# Altium PCB [01]-Robot.PcbDoc (part 1 of 2) (continued)
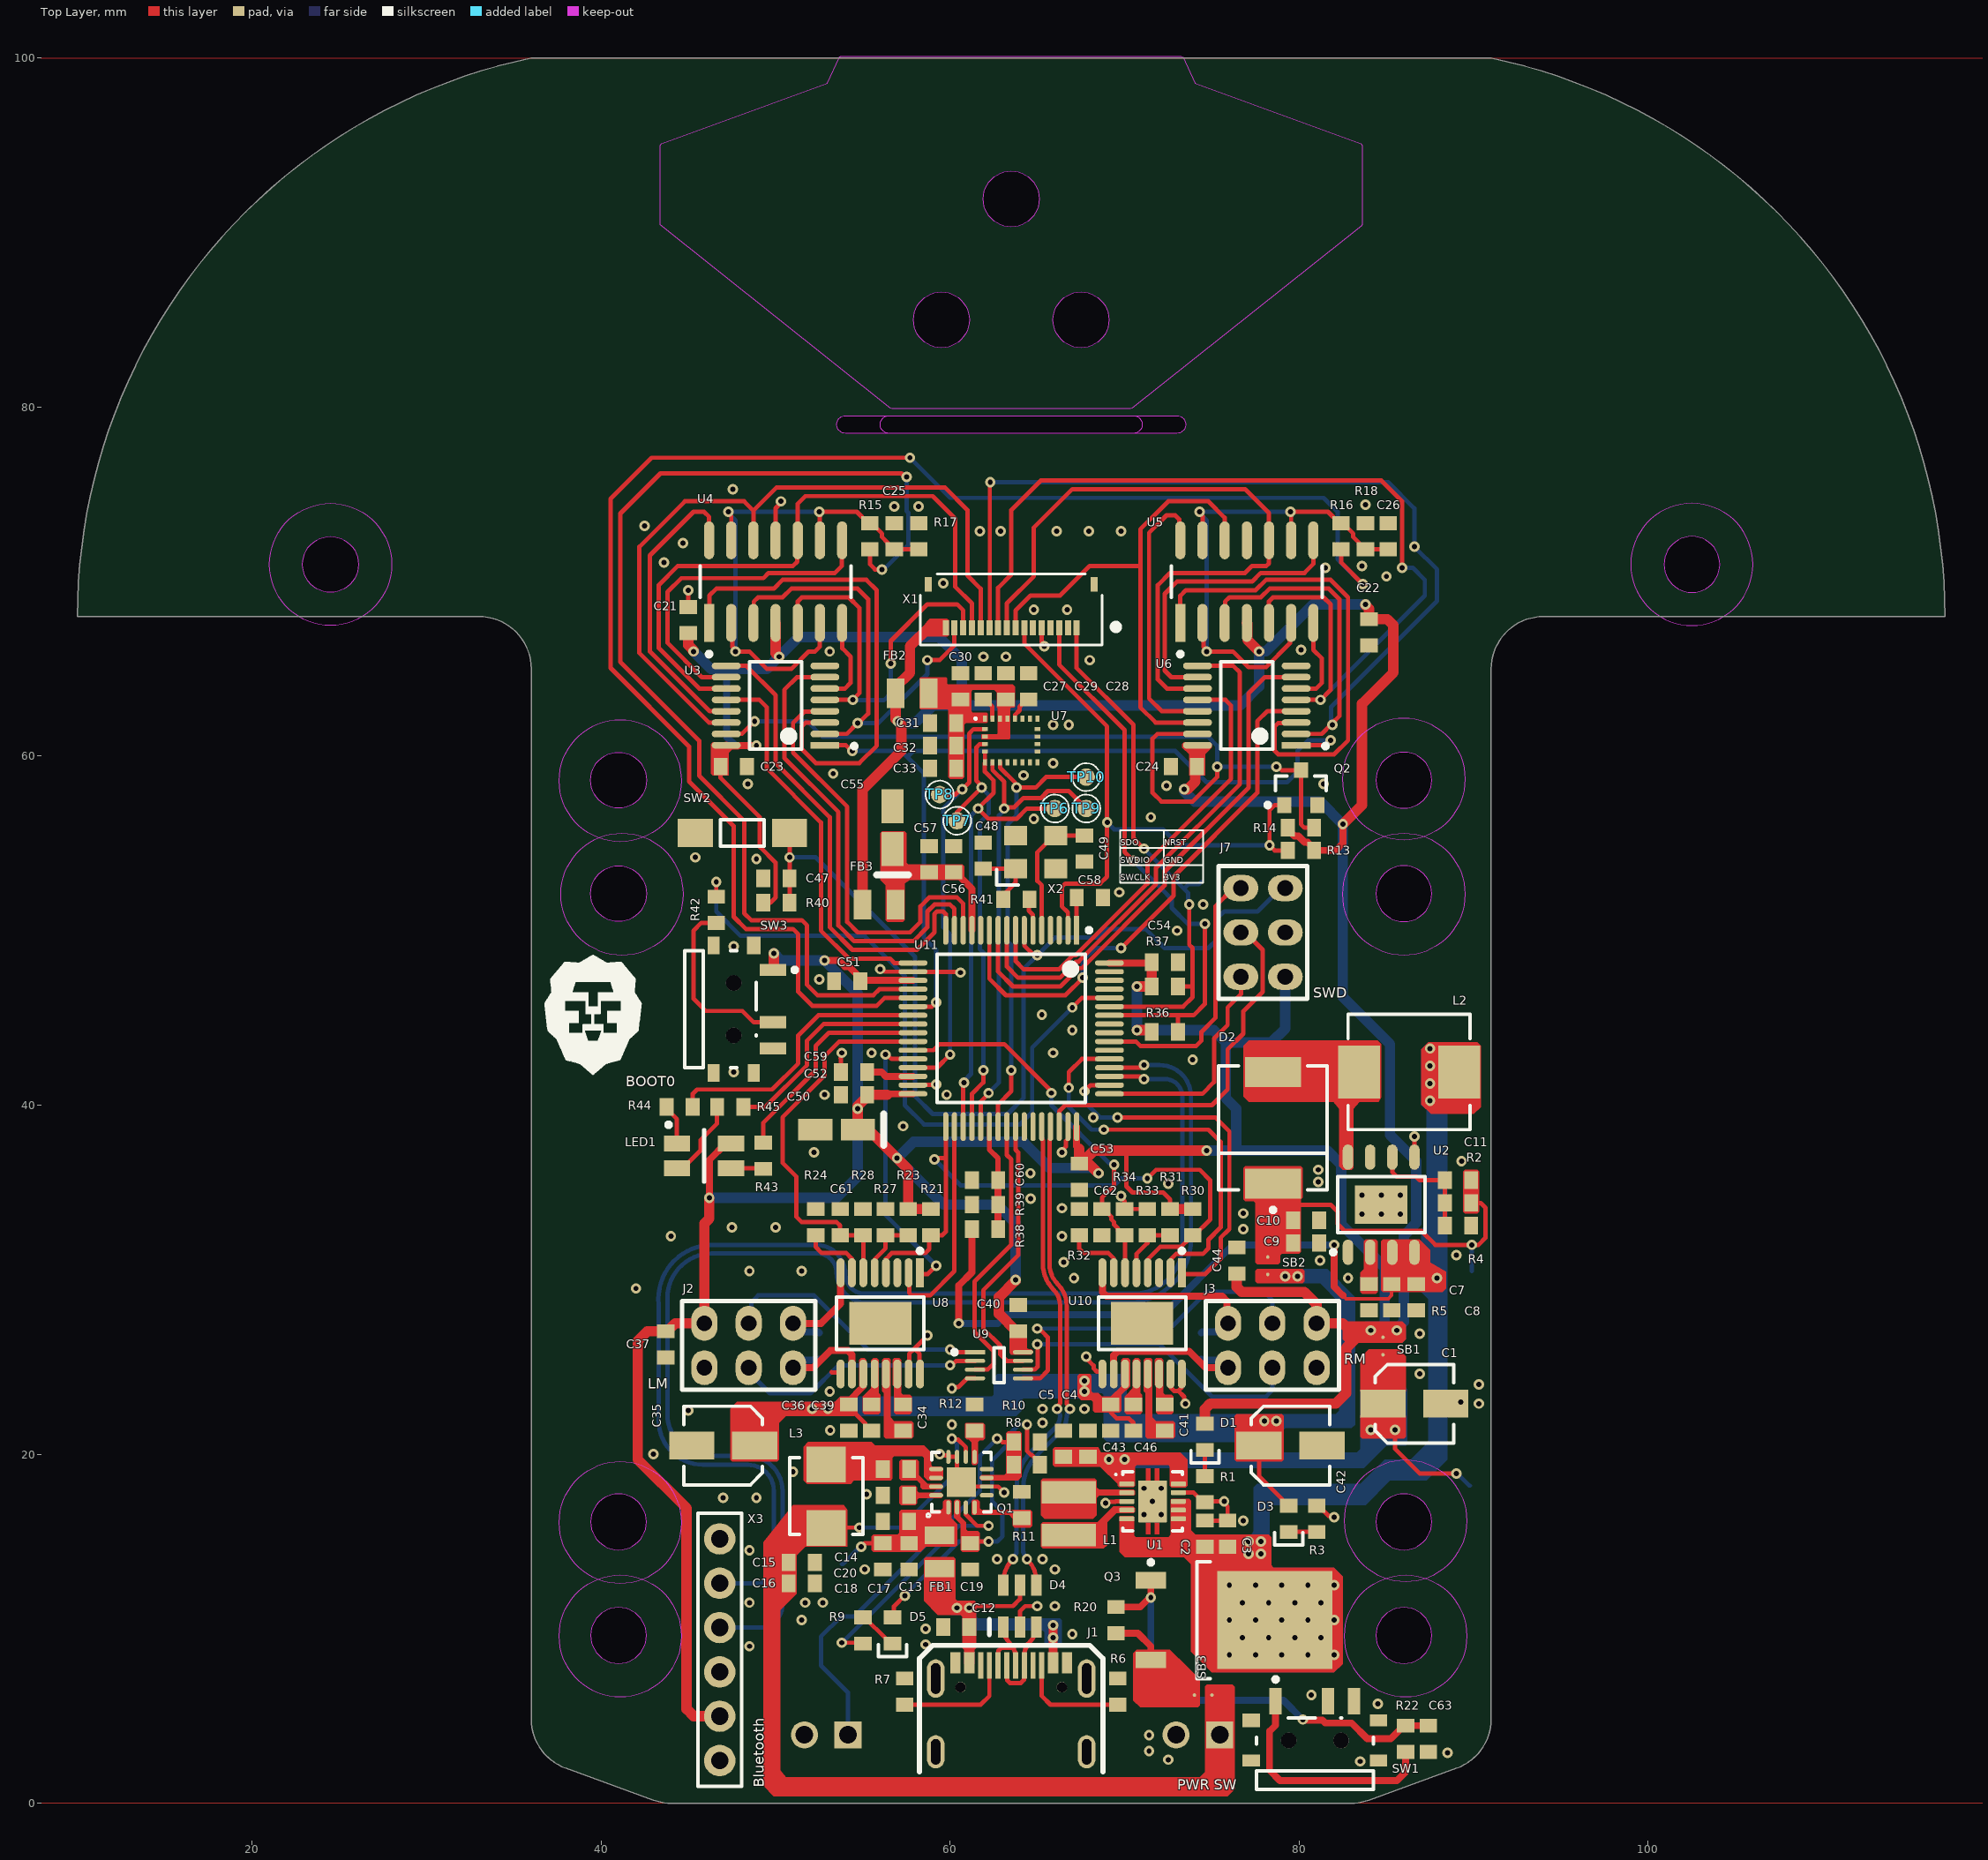
[diagram p0: Top Layer view]
## Components (designator, comment, footprint, x,y, rotation, side; value= is the part's Value field where it differs from the comment) (continued)
R10 "21K" RES_0603 64.4,20.7 r180 top
R11 "13.3K" RES_0603 64.1,17.1 r270 top
R12 "100R" RES_0603 61.4,22.1 r270 top
R13 "10K" RES_0603 80.1,54.6 r0 top
R14 "10K" RES_0603 80.1,55.9 r180 top
R15 "10K" RES_0603 55.4,72.6 r90 top
R16 "10K" RES_0603 82.4,72.6 r90 top
R17 "10K" RES_0603 58.2,72.6 r270 top
R18 "10K" RES_0603 83.8,72.6 r270 top
R20 "100K" RES_0603 69.5,10.5 r270 top
R21 "10K" RES_0603 58.9,33.3 r90 top
R22 "100R" RES_0603 86.1,3.7 r90 top
R23 "16K" RES_0603 57.6,33.3 r90 top
R24 "20K" RES_0603 52.3,33.3 r270 top
R27 "50K" RES_0603 56.3,33.3 r270 top
R28 "1.8K" RES_0603 55,33.3 r270 top
R30 "10K" RES_0603 73.9,33.3 r90 top
R31 "16K" RES_0603 72.6,33.3 r90 top
R32 "20K" RES_0603 67.4,33.3 r270 top
R33 "50K" RES_0603 71.3,33.3 r270 top
R34 "1.8K" RES_0603 70,33.3 r270 top
R36 "4.7K" RES_0603 72.3,44.2 r180 top
R37 "4.7K" RES_0603 72.3,46.8 r180 top
R38 "4.7K" RES_0603 62,32.9 r180 top
R39 "4.7K" RES_0603 62,34.3 r0 top
R40 "4.7K" RES_0603 50.05,51.6 r180 top
R41 "280R" RES_0603 63.8,51.8 r0 top
R42 "10K" RES_0603 46.6,51.2 r90 top
R43 "1K" RES_0603 49.3,37.1 r270 top
R44 "1K" RES_0603 44.5,39.9 r180 top
R45 "1K" RES_0603 47.4,39.9 r180 top
SB1 "SB" SB_1MM 84.8,26.2 r90 top
SB2 "SB" SB_1MM 78.2,30.8 r270 top
SB3 "SB" SB_1MM 74.5,6.2 r180 top
SW1 "MSK12C02-HB" MSK12C02-HB 80.9,3.6 r0 top
SW2 "DTSM-3" DTSM-3 48.1,55.6 r180 top
SW3 "MSK12C02-HB" MSK12C02-HB 47.6,45.5 r270 top
TP1 "Ø1.0mm,SMD" TP_SMD_Ø1.0MM 89.8,18.2 r180 bottom
TP2 "Ø1.0mm,SMD" TP_SMD_Ø1.0MM 89.9,30.5 r90 bottom
TP3 "Ø1.0mm,SMD" TP_SMD_Ø1.0MM 53.8,13.7 r90 bottom
TP4 "Ø1.0mm,SMD" TP_SMD_Ø1.0MM 89.8,20.4 r90 bottom
TP5 "Ø1.0mm,SMD" TP_SMD_Ø1.0MM 53.8,12 r90 bottom
TP6 "Ø1.0mm,SMD" TP_SMD_Ø1.0MM 66,57 r90 top
TP7 "Ø1.0mm,SMD" TP_SMD_Ø1.0MM 60.4,56.3 r90 top
TP8 "Ø1.0mm,SMD" TP_SMD_Ø1.0MM 59.4,57.8 r90 top
TP9 "Ø1.0mm,SMD" TP_SMD_Ø1.0MM 67.8,57 r90 top
TP10 "Ø1.0mm,SMD" TP_SMD_Ø1.0MM 67.8,58.8 r90 top
TP11 "Ø1.0mm,SMD" TP_SMD_Ø1.0MM 71.3,51.7 r90 bottom
TP12 "Ø1.0mm,SMD" TP_SMD_Ø1.0MM 74.4,52.8 r90 bottom
TP13 "Ø1.0mm,SMD" TP_SMD_Ø1.0MM 89.936,28.437 r90 bottom
U1 "TPS63001DRCR" DRC0010J_V 71.6,17.3 r0 top
U2 "FP6293XR-G1" SOP127P600X175_HS-9N 84.7,34.3 r90 top
U3 "TMUX1574PWR" TSSOP-FP-PW0016A-IPC_B 50,62.9 r180 top
U4 "LM324DT" FP-SO-14-IPC_B 50,70 r90 top
U5 "LM324DT" FP-SO-14-IPC_B 77,70 r90 top
U6 "TMUX1574PWR" TSSOP-FP-PW0016A-IPC_B 77,62.9 r180 top
U7 "LSM9DS1TR" STM-LGA-24_3500X3000X1000 63.5,60.9 r0 top
U8 "DRV8874PWPR" FP-PWP0016J-IPC_B 56,27.5 r270 top
U9 "SN74LVC2G32QDCURQ1" FP-DCU0008A-IPC_B 62.8,25.1 r0 top
U10 "DRV8874PWPR" FP-PWP0016J-IPC_B 71,27.5 r270 top
U11 "STM32F446RET6" FP-LQFP64-5W-IPC_B 63.5,44.4 r270 top
X1 "16P 0.5MM" CONN12X1_FH34SRJ-16S-0.5SH(50) 63.5,68.4 r180 top
X2 "XTAL_3225" XTAL_3225 64.9,54.5 r0 top value=25MHz
X3 "Pin Header 6p" CON_PH_6X1 46.8,8.8 r90 top

## Footprints (in the part's own frame and the unit in brackets; to place one, negate y for a bottom-side part, rotate by r counter-clockwise, add the part's x,y. Pads: shape width x height; smd on the part's side, far side on the other; paste and mask are expansions set on the pad)
3528_A [mm] "Chip LED, 4-Leads, Body 2.8x3.5mm (max), Pitch 1.42mm, IPC Medium Density"
  rect 1.5x0.9 smd: 1(1.55,0.707) 2(1.55,-0.71) 3(-1.55,0.707) 4(-1.55,-0.707)
  silkscreen extent -2.15,-1.5 0.03,1.9, body extent -1.75,-1.4 1.75,1.4, height 1.87
"CAP SMD 4X5.8" [mm] "Aluminum Electrolytic Capacitor, Diameter 4mm, Height 6.1mm, Pitch 3.6mm"
  rect 2.6x1.6 smd: 1(-1.8,0) 2(1.8,0)
  silkscreen extent -2.25,-2.25 2.25,2.25, body extent -2.5,-2.15 2.5,2.15, height 5.82
CAP-TANT-3216 [mm] "Molded TAN Capacitor, 2-Leads, Body 3.4x1.8mm, IPC Medium Density"
  rect 1.95x1.25 smd: 1(-1.225,0) 2(1.225,0)
  silkscreen extent -2.7,-0.9 -2.7,0.9, body extent -1.6,-0.8 1.6,0.8, height 1.8
CAP_0603 [mm]
  rect 0.8x1 smd: 1(-0.75,0) 2(0.75,0)
  body extent -0.8,-0.4 0.8,0.4, height 0.51
CON6_100_59D78_TH_ST_DUPLICATE [mm] "Berg strip"
  oval 1.5x2 hole 0.9: 1(0,0) 2(0,2.54) 3(2.54,0) 4(2.54,2.54) 5(5.08,0) 6(5.08,2.54)
  silkscreen extent -1.27,-1.27 6.35,3.81, body extent -1.07,-1.27 6.15,3.56, height 8.18
CON_PH_6X1 [mm]
  round 1.8 hole 1: 1(-6.35,0) 2(-3.81,0) 3(-1.27,0) 4(1.27,0) 5(3.81,0) 6(6.35,0)
  silkscreen extent -7.82,-1.25 7.82,1.25, body extent -7.87,-1.27 7.87,1.27, height 8.52
CONN12X1_FH34SRJ-16S-0.5SH(50) [mm]
  rect 0.356x0.838 smd paste+0 mask+0: 1(-3.75,1.045) 2(-3.25,1.045) 3(-2.75,1.045) 4(-2.25,1.045) 5(-1.75,1.045) 6(-1.25,1.045) 7(-0.75,1.045) 8(-0.25,1.045) 9(0.25,1.045) 10(0.75,1.045) 11(1.25,1.045) 12(1.75,1.045) 13(2.25,1.045) 14(2.75,1.045) 15(3.25,1.045) 16(3.75,1.045)
  rect 0.406x0.838 smd paste-0.419 mask-0.419: 17(-4.75,-1.455) 18(4.75,-1.455)
  silkscreen extent -6.1,-2.03 5.2,2.03, body extent -5,-1.9 5,1.9, height 0.98
DRC0010J_V [mm] "SON, 10-Leads, Body 3x3mm, Pitch 0.5mm, Thermal Pad 2.4x1.65mm, TI Recommended"
  rrect36% 0.85x0.28 smd paste-0.025 mask+0.07: 1(-1.475,1) 2(-1.475,0.5) 3(-1.475,0) 4(-1.475,-0.5) 5(-1.475,-1) 6(1.475,-1) 7(1.475,-0.5) 8(1.475,0) 9(1.475,0.5) 10(1.475,1)
  rrect6% 1.65x2.4 smd paste-0.825 mask+0.07: 11(0,0)
  Top Layer region: -0.39,1.2 -0.11,1.2 -0.11,1.9 -0.39,1.9
  Top Layer region: 0.39,1.9 0.11,1.9 0.11,1.2 0.39,1.2
  Top Layer region: 0.39,-1.2 0.11,-1.2 0.11,-1.9 0.39,-1.9
  Top Layer region: -0.39,-1.9 -0.11,-1.9 -0.11,-1.2 -0.39,-1.2
  silkscreen extent -2.15,-1.7 1.7,1.7, body extent -1.5,-1.5 1.5,1.5, height 1
DTSM-3 [mm]
  rect 2x1.6 smd: 1(-2.7,0) 2(2.7,0)
  silkscreen extent -1.25,-0.75 1.25,0.75, body extent -3.6,-1.75 3.6,1.75, height 4.96
FB_0805 [mm]
  rect 1x1.7 smd: 1(-0.95,0) 2(0.95,0)
  body extent -1,-0.63 1,0.63, height 0.86
FP-95402-MFG [mm]
  rect 1.72x3.2 smd paste+0 mask+0: 1(-3.205,0) 2(3.205,0)
  silkscreen extent -4.82,-3.11 3.55,3.11, body extent -4.17,-3.21 4.17,3.21, height 0.25
FP-B2B-XH-A_LF_SN-MFG [mm]
  rect 1.55x1.55 hole 1 paste-1000 mask+0: 1(-1.25,0.525)
  round 1.55 hole 1 paste-1000 mask+0: 2(1.25,0.525)
  silkscreen extent -4.5,-2.88 3.7,2.88, body extent -3.7,-2.88 3.7,2.88, height 7
FP-DCU0008A-IPC_B [mm]
  rect 1.16x0.237 smd paste+0 mask+0: 1(-1.376,0.75)
  rrect100% 1.16x0.237 smd paste+0 mask+0: 2(-1.376,0.25) 3(-1.376,-0.25) 4(-1.376,-0.75) 5(1.376,-0.75) 6(1.376,-0.25) 7(1.376,0.25) 8(1.376,0.75)
  silkscreen extent -2.67,-1 0.3,1, body extent -2.21,-1.25 2.21,1.25, height 0.25
FP-LQFP64-5W-IPC_B [mm]
  rect 1.655x0.3 smd paste+0 mask+0: 1(-5.625,3.75)
  rrect100% 1.655x0.3 smd paste+0 mask+0: 2(-5.625,3.25) 3(-5.625,2.75) 4(-5.625,2.25) 5(-5.625,1.75) 6(-5.625,1.25) 7(-5.625,0.75) 8(-5.625,0.25) 9(-5.625,-0.25) 10(-5.625,-0.75) 11(-5.625,-1.25) 12(-5.625,-1.75) 13(-5.625,-2.25) 14(-5.625,-2.75) 15(-5.625,-3.25) 16(-5.625,-3.75) 33(5.625,-3.75) 34(5.625,-3.25) 35(5.625,-2.75) 36(5.625,-2.25) 37(5.625,-1.75) 38(5.625,-1.25) 39(5.625,-0.75) 40(5.625,-0.25) 41(5.625,0.25) 42(5.625,0.75) 43(5.625,1.25) 44(5.625,1.75) 45(5.625,2.25) 46(5.625,2.75) 47(5.625,3.25) 48(5.625,3.75)
  rrect100% 0.3x1.655 smd paste+0 mask+0: 17(-3.75,-5.625) 18(-3.25,-5.625) 19(-2.75,-5.625) 20(-2.25,-5.625) 21(-1.75,-5.625) 22(-1.25,-5.625) 23(-0.75,-5.625) 24(-0.25,-5.625) 25(0.25,-5.625) 26(0.75,-5.625) 27(1.25,-5.625) 28(1.75,-5.625) 29(2.25,-5.625) 30(2.75,-5.625) 31(3.25,-5.625) 32(3.75,-5.625) 49(3.75,5.625) 50(3.25,5.625) 51(2.75,5.625) 52(2.25,5.625) 53(1.75,5.625) 54(1.25,5.625) 55(0.75,5.625) 56(0.25,5.625) 57(-0.25,5.625) 58(-0.75,5.625) 59(-1.25,5.625) 60(-1.75,5.625) 61(-2.25,5.625) 62(-2.75,5.625) 63(-3.25,5.625) 64(-3.75,5.625)
  silkscreen extent -5.75,-4.25 4.25,4.59, body extent -6,-6 6,6, height 1.6
FP-PWP0016J-IPC_B [mm]
  rect 1.655x0.45 smd paste+0 mask+0: 1(-2.9,2.275)
  rrect100% 1.655x0.45 smd paste+0 mask+0: 2(-2.9,1.625) 3(-2.9,0.975) 4(-2.9,0.325) 5(-2.9,-0.325) 6(-2.9,-0.975) 7(-2.9,-1.625) 8(-2.9,-2.275) 9(2.9,-2.275) 10(2.9,-1.625) 11(2.9,-0.975) 12(2.9,-0.325) 13(2.9,0.325) 14(2.9,0.975) 15(2.9,1.625) 16(2.9,2.275)
  rect 2.46x3.55 smd paste-1000 mask+0: 17(0,0)
  silkscreen extent -4.28,-2.5 1.5,2.5, body extent -3.9,-2.75 3.9,2.75, height 0.25
FP-SO-14-IPC_B [mm]
  rect 2.174x0.583 smd paste+0 mask+0: 1(-2.366,3.81)
  rrect100% 2.174x0.583 smd paste+0 mask+0: 2(-2.366,2.54) 3(-2.366,1.27) 4(-2.366,0) 5(-2.366,-1.27) 6(-2.366,-2.54) 7(-2.366,-3.81) 8(2.366,-3.81) 9(2.366,-2.54) 10(2.366,-1.27) 11(2.366,0) 12(2.366,1.27) 13(2.366,2.54) 14(2.366,3.81)
  silkscreen extent -4.28,-4.33 0.9,4.33, body extent -3,-4.33 3,4.33, height 1.75
INDP3030X12N [mm] "Precision Wire Wound Inductor, 2-Leads, Body 3.00x3.00mm, IPC Medium Density"
  rect 1.3x3.1 smd: 1(-1.225,0) 2(1.225,0)
  body extent -1.5,-1.5 1.5,1.5, height 1.2
INF-PG-TO252-3-11_N [mm] "DPAK, 3-Leads, Body 6.5x6.12mm, Pitch 2.28mm, IPC Medium Density"
  rect 1.75x0.95 smd: 1(-4.75,2.28) 2(-4.75,-2.28)
  rect 6.6x5.6 smd: 3(2.35,0)
  silkscreen extent -4.87,-3.35 -1.35,3.43, body extent -5.1,-3.27 4.77,3.27, height 2.64
LED_0603_GREEN [mm]
  rect 0.8x1 smd: A(0.75,0) K(-0.75,0)
  silkscreen extent -1.5,-0.8 -0.8,0.8, body extent -0.8,-0.4 0.8,0.4, height 0.6
LED_0603_RED [mm]
  rect 0.8x1 smd: A(0.75,0) K(-0.75,0)
  silkscreen extent -1.5,-0.8 -0.8,0.8, body extent -0.8,-0.4 0.8,0.4, height 0.6
MSK12C02-HB [mm]
  rect 0.7x1.5 smd paste+0 mask+0: 1(-2.25,2.25) 2(0.75,2.25) 3(2.25,2.25)
  rect 1x0.8 smd paste+0 mask+0: 4(-3.65,1.15)
  rect 1x0.7 smd paste+0 mask+0: 5(3.65,1.15) 6(-3.65,-1.15) 7(3.65,-1.15)
  round 0.9 hole 0.9 unplated paste-1000 mask+0: ""(-1.5,0) ""(1.5,0)
  silkscreen extent -3.35,-2.8 3.35,3.62, body extent -3.68,-2.34 3.67,2.23, height 1.4
MWSA0402S [mm] "Precision Wire Wound Inductor, 2-Leads, Body 4.40x4.20mm, IPC Medium Density"
  rect 2.05x2.25 smd: 1(-1.825,0) 2(1.825,0)
  silkscreen extent -2.2,-2.1 2.2,2.1, body extent -2.2,-2.1 2.2,2.1, height 2
MWSA0603S [mm] "Molded Inductor, 2-Leads, Body 7.00x6.60mm, IPC Medium Density"
  rect 2.4x3.05 smd: 1(-2.875,0) 2(2.875,0)
  silkscreen extent -3.5,-3.3 3.5,3.3, body extent -3.6,-3.3 3.6,3.3, height 2.8
RES_0603 [mm]
  rect 0.8x1 smd: 1(-0.75,0) 2(0.75,0)
  body extent -0.8,-0.43 0.8,0.43, height 0.52
SB_1MM [mm]
  round 0.2 smd mask+0: 1(-0.5,0) 2(0.5,0)
  Top Layer region: -0.25,0.5 -0.25,-0.5 -0.3,-0.45 -0.55,-0.45 -0.55,-0.35 -0.725,-0.175 -0.725,0.25 -0.475,0.5
  Top Layer region: 0.25,-0.5 0.25,0.5 0.3,0.45 0.55,0.45 0.55,0.35 0.725,0.175 0.725,-0.25 0.475,-0.5
  Top Layer lines w0.13: -0.25,0.5 ccw(c-0.25,0) -0.25,-0.5 -0.25,0.5 ; 0.25,0.5 cw(c0.25,0) 0.25,-0.5 0.25,0.5
SOP127P600X175_HS-9N [mm] "SOP, 8-Leads, Body 4.90x3.90mm, Pitch 1.27mm, Thermal Pad 3.00x2.20mm, IPC Medium Density"
  oval 1.45x0.6 smd: 1(-2.725,1.905) 2(-2.725,0.635) 3(-2.725,-0.635) 4(-2.725,-1.905) 5(2.725,-1.905) 6(2.725,-0.635) 7(2.725,0.635) 8(2.725,1.905)
  rect 2.2x3 smd: 9(0,0)
  silkscreen extent -2.85,-2.5 1.6,2.88, body extent -3,-2.46 3,2.46, height 1.73
SOT-23 [mm] "SOT23, 3-Leads, Body 2.92x1.3mm, Pitch 0.95mm"
  rect 0.9x0.8 smd: 1(-1,0.95) 2(-1,-0.95) 3(1,0)
  silkscreen extent -1.12,-1.46 0.65,2.02, body extent -1.15,-1.45 1.15,1.45, height 1.17
SOT-23-6 [mm]
  rect 0.6x1.2 smd: 1(-0.95,-1.2) 2(0,-1.2) 3(0.95,-1.2) 4(0.95,1.2) 5(0,1.2) 6(-0.95,1.2)
  silkscreen extent -1.75,-1.63 -1.75,-0.76, body extent -1.45,-1.4 1.45,1.4, height 1.45
STM-LGA-24_3500X3000X1000 [mm] "LGA, 24-Leads, Body 3.65x3.15mm, Pitch 0.43mm"
  rect 0.23x0.35 smd mask+0.05: 1(-1.505,1.25) 6(-1.505,-1.25) 7(-1.075,-1.25) 8(-0.645,-1.25) 9(-0.215,-1.25) 10(0.215,-1.25) 11(0.645,-1.25) 12(1.075,-1.25) 13(1.505,-1.25) 18(1.505,1.25) 19(1.075,1.25) 20(0.645,1.25) 21(0.215,1.25) 22(-0.215,1.25) 23(-0.645,1.25) 24(-1.075,1.25)
  rect 0.35x0.23 smd mask+0.05: 2(-1.505,0.645) 3(-1.505,0.215) 4(-1.505,-0.215) 5(-1.505,-0.645) 14(1.505,-0.645) 15(1.505,-0.215) 16(1.505,0.215) 17(1.505,0.645)
  silkscreen extent -2.11,1.19 -1.98,1.31, body extent -1.75,-1.5 1.75,1.5, height 1
TP_SMD_Ø1.0MM [mm]
  round 1 smd paste-5: 1(0,0)
  silkscreen extent -0.8,-0.8 0.8,0.8
TSSOP-FP-PW0016A-IPC_B [mm]
  rect 1.655x0.381 smd paste+0 mask+0: 1(-2.825,2.275)
  rrect100% 1.655x0.381 smd paste+0 mask+0: 2(-2.825,1.625) 3(-2.825,0.975) 4(-2.825,0.325) 5(-2.825,-0.325) 6(-2.825,-0.975) 7(-2.825,-1.625) 8(-2.825,-2.275) 9(2.825,-2.275) 10(2.825,-1.625) 11(2.825,-0.975) 12(2.825,-0.325) 13(2.825,0.325) 14(2.825,0.975) 15(2.825,1.625) 16(2.825,2.275)
  silkscreen extent -4.63,-2.5 1.5,2.5, body extent -3.2,-2.5 3.2,2.5, height 1.2
TYPE-C-31-M-12 [mm]
  rect 0.6x1.2 smd mask+0.07: A1B12(-3.2,3) B1A12(3.2,3)
  rect 0.6x1.2 smd mask+0.14: A4B9(-2.4,3) B4A9(2.4,3)
  rect 0.3x1.5 smd mask+0.14: A5(-1.25,2.85) A6(-0.25,2.85) A7(0.25,2.85) A8(1.25,2.85) B5(1.75,2.85) B6(0.75,2.85) B7(-0.75,2.85) B8(-1.75,2.85)
  round 0.6 hole 0.6 unplated mask+0.3: MH(-2.9,1.6) MH(2.9,1.6)
  oval 1x1.9 hole 0.55 slot 1.45 at 90 deg mask+0.05: SH(-4.325,-2.1) SH(4.325,-2.1)
  oval 1x2.2 hole 0.55 slot 1.75 at 90 deg mask+0.05: SH(-4.325,2.1) SH(4.325,2.1)
  silkscreen extent -5.25,-3.25 5.25,4, body extent -4.47,-4.65 4.47,3.25, height 3.32
WQFN50P300X300X80_HS-17N [mm] "WQFN, 16-Leads, Body 3.00x3.00mm, Pitch 0.50mm, Thermal Pad 1.68x1.68mm, IPC Medium Density"
  oval 0.8x0.25 smd: 1(-1.45,0.75) 2(-1.45,0.25) 3(-1.45,-0.25) 4(-1.45,-0.75) 9(1.45,-0.75) 10(1.45,-0.25) 11(1.45,0.25) 12(1.45,0.75)
  oval 0.25x0.8 smd: 5(-0.75,-1.45) 6(-0.25,-1.45) 7(0.25,-1.45) 8(0.75,-1.45) 13(0.75,1.45) 14(0.25,1.45) 15(-0.25,1.45) 16(-0.75,1.45)
  rect 1.68x1.68 smd: 17(0,0)
  silkscreen extent -2,-1.7 1.7,2, body extent -1.5,-1.5 1.5,1.5, height 0.8
XTAL_3225 [mm]
  rect 1.3x1.1 smd: 1(-1.15,-0.95) 2(1.15,-0.95) 3(1.15,0.95) 4(-1.15,0.95)
  silkscreen extent -2.23,-1.89 -1,-1, body extent -1.6,-1.28 1.6,1.22, height 0.61

## Part data
C1 C35 C42: library part "CAP SMD 4x5.8", "Aluminum Electrolytic Capacitor, UD Series, Low Impedance, 10 uF, 25 V, + / - 20%, -55 to 105 degC, Chip Type, 4 x 5.8 mm D x L, Pb-Free, Reel", Manufacturer=Nichicon, PartNumber=UUD1E100MCL1GS, Rated Capacitance="10 uF", Rated Ripple Current (at 100kHz)="80 mA", Rated Voltage="25 V", Tolerance Rated Capacitance="-20 to 20%", ComponentLink1Description="Manufacturer URL", ComponentLink1URL=http://www.nichicon.co.jp/, ComponentLink2Description=Datasheet, ComponentLink2URL=http://products.nichicon.co.jp/en/pdf/XJA043/e-ud.pdf, ComponentLink3Description="Package Specification", ComponentLink3URL=http://products.nichicon.co.jp/en/pdf/XJA043/e-ud.pdf, DatasheetVersion=08/2012, Diameter="4 mm", Endurance Time="2000 h", Impedance="1.8 Ohm", Length="5.8 mm", Mounting Technology="Surface Mount", PackageDescription="2-Pin Surface Mount Device, Diameter 4 mm, Height 5.8 mm, Pitch 3.6 mm", PackageReference=CAPAE-D4H5.8, Packing="Dia382mm Reel", RoHS=TRUE
C2 C3 C4 C5 C7 C8 C9 C10 C11 C12 C13 C14 C15 C16 C17 C18 C19 C20 C21 C22 C23 C24 C25 C26 C27 C28 C29 C30 C31 C32 C33 C34 C36 C37 C38 C39 C40 C41 C43 C44 C45 C46 C47 C48 C49 C51 C52 C53 C54 C56 C57 C58 C59 C60 C61 C62 C63: library part CAP_0603_16V, "Capacitor SMD 0603 16V"
C50 C55: library part CAP_TANT_3216, "Capacitor, Tantalum, 10 uF, +/- 10%, 10 V, -55 to 125 degC, 2-Pin SMD (1206), RoHS, Tape and Reel", Capacitance=10µF, ESR (Equivalent Series Resistance)=3.8Ohm, Lifetime @ Temp.=2000Hrs@85degC, Manufacturer=Kemet, Manufacturer Size Code=A, Operating Temperature=-55degC~125degC, Package / Case=1206(3216Metric), Package Description="2-Pin Surface Mount Device, Body 3.2 x 1.6 mm", Package Reference=1206, Standard Package=2,000, Tolerance=±10%, Voltage - Rated=10V, Catalog Drawings=T49x,T5xxSeries_A-side1T49x,T5xxSeries_A,B-side2T49x,T5xxSeries_A,SBottom, Category=Capacitors, Datasheet URL=http://www.farnell.com/datasheets/1824869.pdf, Datasheet Version=Apr-14, Family=TantalumCapacitors, Features=GeneralPurpose, Height - Seated (Max)="0.071\"(1.80mm)", Lead Spacing=-, Manufacturer URL=http://www.kemet.com/, Mounting Type=SurfaceMount, Online Catalog=T491Series, Other Names=399-3684-2, Packaging=Tape&Reel(TR), Product Training Modules=CapacitorBasics-TypicalUsesforCapacitorsDeratingGuidelinesforSurfaceMountTantalumCapacitors, Series=T491, Size / Dimension="0.126\"Lx0.063\"W(3.20mmx1.60mm)", Type=Molded
D1 D3: library part LED_0603_GREEN, "LED 0603 GREEN SMD"
D2: library part CMP-02539-000015-1, "DIODE SCHOTTKY 40V 5A DO214AB", Forward Current=5A, Manufacturer=Vishay, Max Junction Temp=+150°C, Max Repetitive Reverse Voltage=40V, Max Surge Forward Current=175A, Package=95402, Peak Reverse Current=0.5mA, Temperature="-65°C to +150°C", Temperature Range Low=-65°C, Automotive=No, Category=Diode, ComponentLink2Description=Datasheet, ComponentLink2URL=http://www.vishay.com/docs/88885/ssc53l.pdf, Device Class L1="Discrete Semiconductors", Device Class L2=Diodes, Device Class L3="Schottky Diodes", Digikey Description="DIODE SCHOTTKY 40V 5A DO214AB", Footprint Url=https://www.vishay.com/docs/95402/smc.pdf, Height=2.62mm, Lead Free=Yes, Manufacturer Part Number=SSC54-E3/57T, Mouser Description="SSC54 Series 40 V 5 A Surface Mount Schottky Rectifier - DO-214AB", Octopart=https://octopart.com/ssc54-e3%2F57t-vishay-39552944, Reverse Voltage=40V, RoHS=TRUE, Standoff Height=0mm, Temperature Range High=+150°C
D4: "Low-Capacitance ESD Protection USB", Manufacturer=STMicroelectronics, Distributor Link=https://www.mouser.de/ProductDetail/STMicroelectronics/USBLC6-2SC6?qs=po45yt2pPpu%2FhNIlwQdTlg%3D%3D, Manufacturer Part Number=USBLC6-2SC6
D5: library part LED_0603_RED, "LED 0603 RED SMD"
FB1 FB2 FB3: library part FB_0805, "0.02Ω ±25%  100Ω@100MHz 0805 4A", LCSC=C370580, Manufacturer=Sunlord, Manufacturer Part Number=UPZ2012E101-4R0TF
J1: "USB Type C Connector Horizontal SMT", Manufacturer="Koren Hroparts", Manufacturer Part Number=TYPE-C-31-M-12
J2 J3 J7: library part CON-BS-PLG_3X2-100-ST-TH, "6 Pins, 2 Row 2.54mm Pitch, Straight bergstrip, Male", Alternate Part Number-1=NA, Case/Package=TH, Manufacturer=NA, Manufacturer Part Number=NA, Supplier Part Number-1=NA, Supplier-1="SP ROAD"
J5 J6: library part CON-B2B-XH, "CONN HEADER VERT 2POS 2.5MM", Color=Natural, Contact Resistance=20mR, Current Rating=3A, Housing Color=White, Insulation Resistance=1GR, LCSC#=C158012, Max Operating Temperature=85°C, Max Voltage Rating (AC)=250V, Min Operating Temperature=-25°C, Connector Type="Male Pin", Contact Material=Brass, Contact Plating=Tin, Contact Type="Male Pin", Depth=5.75mm, Fastening Type=Detent, Housing Material=Polyamide, Lead Free="Lead Free", Lead Pitch=2.5mm, Length=7.4mm, Max Current Rating=3A, Max Voltage Rating (DC)=250V, Mount="Through Hole", Number of Contacts=2, Number of Positions=2, Number of Rows=1, Orientation=Straight, Packaging=Bulk, Pitch=2.5mm, REACH SVHC="No SVHC", Series=XH, Termination=Solder, Voltage Rating=250V, Voltage Rating (AC)=250V, Wire/Cable Gauge=22AWG
L1: "Inductor Power Shielded Wirewound 2.2uH 20% 1MHz Ferrite 1.7A 0.096Ohm DCR 1212 T/R", Case Code (Metric)=3012, Case/Package=Nonstandard, DC Resistance (DCR)=96mR, Inductance=2.2uH, LCSC#=C136233, Manufacturer=TDK, Max DC Current=1.5A, Max Operating Temperature=105°C, Min Operating Temperature=-40°C, Package Quantity=2000, Resistance=0.096R, Saturation Current=1.35A, Supplier Part Number 1=445-6664-1-ND, Test Frequency=1MHz, Tolerance=20%, Category="Fixed Inductors", ComponentLink1Description=https://media.digikey.com/pdf/Data%20Sheets/TDK%20PDFs/VLS3012E_Series.pdf?src-supplier=Digi-Key, ComponentLink1URL=https://media.digikey.com/pdf/Data%20Sheets/TDK%20PDFs/VLS3012E_Series.pdf?src-supplier=Digi-Key, ComponentLink2Description=http://www.mouser.com/ds/2/400/nductor_commercial_power_vls3012e_en-776349.pdf?src-supplier=Mouser, ComponentLink2URL=http://www.mouser.com/ds/2/400/nductor_commercial_power_vls3012e_en-776349.pdf?src-supplier=Mouser, ComponentLink3Description=http://www.tdk.co.jp/tefe02/e531_vls.pdf?src-supplier=Avnet, ComponentLink3URL=http://www.tdk.co.jp/tefe02/e531_vls.pdf?src-supplier=Avnet, Core Material=Ferrite, Height=1.2mm, Lead Free="Lead Free", Length=3mm, Manufacturer Part Number=VLS3012ET-2R2M, Mount="Surface Mount", Packaging="Tape and Reel", Pricing 1="1=0.38, 10=0.339, 25=0.2968, 50=0.2546, 100=0.2333, 250=0.21208, 500=0.19938, 1000=0.15271 (USD)", RoHS=Yes, RoHS Compliant=Yes, Series=VLS, Shielding=Shielded, Stock 1=35209, Supplier 1=Digi-Key, Termination=SMD/SMT, Width=3mm